# Altium PCB HIVE_BOARD.PcbDoc (part 4 of 9)
Units mil, origin at the board's own origin, x right, y up, seen from the top; angles counter-clockwise.
Board outline 4330.71 x 4330.71 mil, 8 copper layers (Top, GND_1, Signal_1, GND_2, PWR, Signal_2, GND_3, Bottom), stack 62.994 mil thick; 660 components, 468 nets, 2497 pads, 1806 vias.
Unrouted connection lines stored in the file: 30.
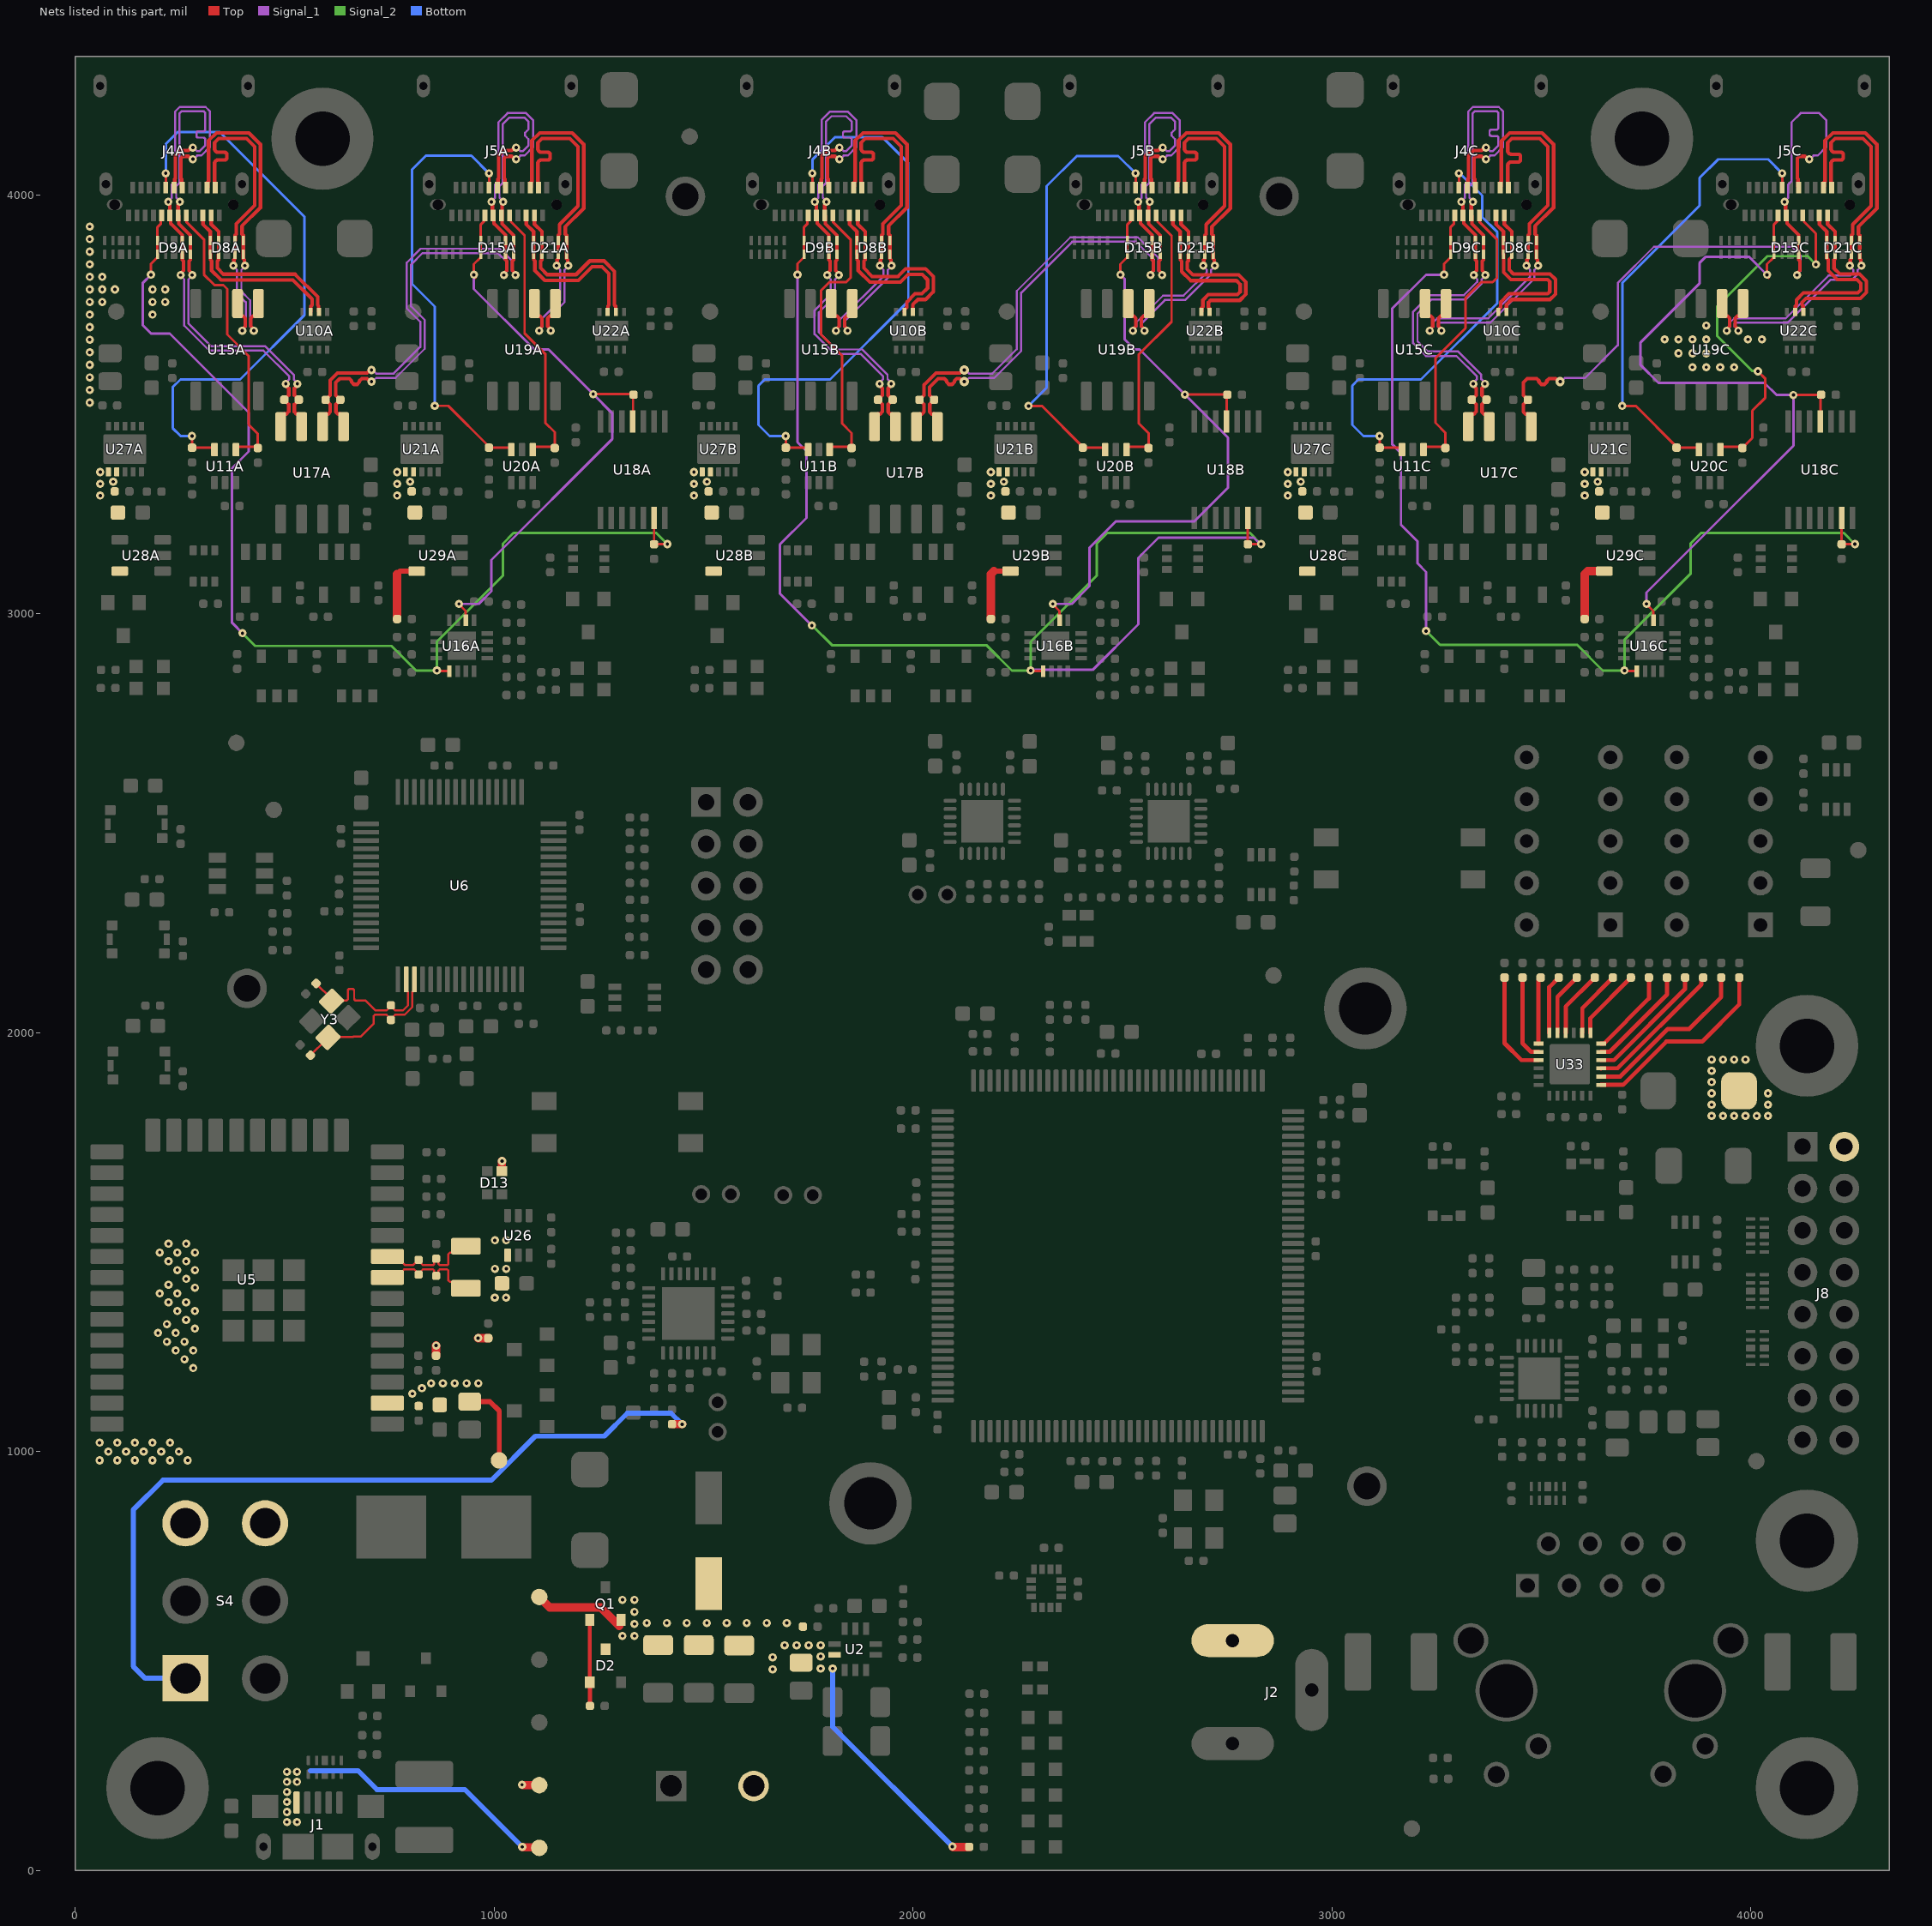
[diagram p10: the nets of this part, all layers, seen from the top]

## Via types
v1: diameter 19.68, hole 7.87, Top to Bottom, tented both sides, 1753 vias
v2: diameter 19.68, hole 7.87, Top to Bottom, 41 vias
v3: diameter 21.65, hole 7.87, Top to Bottom, tented both sides, 7 vias
v4: diameter 19.68, hole 7.87, Top to Bottom, tented bottom, 5 vias

## Nets (pads, with @x,y where several pads share a name; then routed paths per layer and width w, separated by ;. In a path a pad name is that pad's centre, name@x,y a point inside that pad or via, vN(x,y) a via of type N, cw(c..) or ccw(c..) an arc to the next point about the centre after c; other vN are vias at no path point) (continued)
3V3_WR: C62.2 C63.1 C64.2 C138.1 D13.3 R91.2 R92.2 TP18.1 U5.2 U26.1 | length 266.1
  Top w12: C62.2@941.98,1119.41 990.16,1119.41 1012.56,1097.01 TP18.1@1012.56,983.37
  Top w20: R91.2@861.77,1228.94 v1@861.77,1253.14 ; v1@962.09,1270.77 R92.2@986.28,1270.77 ; D13.3@1018.98,1669.1 v1@1018.98,1693.29
  other v1: 805.03,1138.23 827.89,1151.13 849.88,1163 878.1,1163 906.33,1163 934.55,1163 962.78,1163 861.97,1253.14 962.09,1270.97 1001.93,1367.34 1028.82,1367.34 1002.14,1436.19 1029.22,1436.19 1002.14,1504.36 1029.22,1504.36 1019.17,1693.29
5V: C32.2 C33.2 C35.2 C76.2 C111A.1 C111B.1 C111C.1 C124A.2 C124B.2 C124C.2 C139A.1 C139B.1 C139C.1 C140A.2 C140B.2 C140C.2 C147.1 D2.3 D27.1 J8.2 Q1.2 R11.1 R21.2 R107A.1 R107B.1 R107C.1 TP2.1 U2.2 U21A.1 U21A.2 U21B.1 U21B.2 U21C.1 U21C.2 U27A.1 U27A.2 U27B.1 U27B.2 U27C.1 U27C.2 U28A.5 U28B.5 U28C.5 U29A.5 U29B.5 U29C.5 | length 1272.4
  Top w12: 768.8,3094.57 775.83,3101.6 U29A.5@815.48,3101.6 ; 2193.15,3101.6 U29B.5@2232.8,3101.6
  Top w20: R107A.1@768.8,2987.17 768.8,3094.57 ; TP2.1@1108,653 1133,628 1255,628 Q1.2@1298.93,584.07 ; v1@2095.29,56.15 R11.1@2133.78,56.15 ; R107B.1@2186.12,2987.17 2186.12,3094.57 2193.15,3101.6 ; R107C.1@3603.45,2987.17 3603.45,3094.57 3610.48,3101.6 U29C.5@3650.12,3101.6
  Bottom w12: v1(1808.36,482.32) 1808.36,343.08 v1(2094.18,57.27)
  other v1: 1664.96,480.34 1779.68,482.32 1664.96,509.02 1779.68,511 1693.64,537.7 1722.32,537.7 1751,537.7 1779.68,537.7 1306.65,560.07 1335.33,560.07 1335.33,588.75 1364.68,591 1412.4,591 1460.12,591 1507.84,591 1555.56,591 1603.28,591 1651,591 1698.72,591 1335.33,617.43 1306.65,646.11 1335.33,646.11 58.63,979.1 100.66,979.1 142.7,979.1 184.73,979.1 226.77,979.1 268.8,979.1 79.64,1000.12 121.68,1000.12 163.71,1000.12 205.75,1000.12 247.78,1000.12 58.63,1021.13 100.66,1021.13 142.7,1021.13 184.73,1021.13 226.77,1021.13 282.2,1199.24 261.18,1220.26 240.17,1241.27 282.2,1241.27 219.15,1262.29 261.18,1262.29 198.13,1283.31 240.17,1283.31 285.99,1293.37 219.15,1304.33 264.97,1314.39 243.95,1335.4 285.99,1335.4 222.93,1356.42 264.97,1356.42 201.92,1377.44 243.95,1377.44 286.19,1391.14 222.93,1398.46 265.17,1412.15 244.15,1433.17 286.19,1433.17 223.13,1454.19 265.17,1454.19 202.12,1475.21 244.15,1475.21 286.19,1475.21 223.13,1496.22 265.17,1496.22 3906.45,1801.23 3933.33,1801.23 3960.22,1801.23 3987.1,1801.23 4013.99,1801.23 4040.87,1801.23 3906.45,1828.12 4040.87,1828.12 3906.45,1855 4040.87,1855 3906.45,1881.89 3906.45,1908.77 3906.45,1935.65 3933.33,1935.65 3960.22,1935.65 3987.1,1935.65 60,3282 768.66,3282 1477.32,3282 2185.98,3282 2894.65,3282 3603.31,3282 60,3310 768.66,3310 1477.32,3310 2185.98,3310 2894.65,3310 3603.31,3310 91,3315 799.66,3315 1508.32,3315 2216.98,3315 2925.65,3315 3634.31,3315 60,3338 768.66,3338 1477.32,3338 2185.98,3338 2894.65,3338 3603.31,3338 34.98,3503.86 34.98,3533.88 34.98,3563.89 3860.49,3588.36 3893.64,3588.36 3926.79,3588.36 3959.94,3588.36 34.98,3593.91 3827.34,3621.51 3860.49,3621.51 3893.64,3621.51 34.98,3623.92 34.98,3653.94 3794.19,3654.66 3827.34,3654.66 3860.49,3654.66 3893.64,3654.66 3993.09,3654.66 4026.24,3654.66 34.98,3683.95 3893.64,3687.81 34.98,3713.97 185.06,3713.97 34.98,3743.98 65,3743.98 185.06,3743.98 215.08,3743.98 34.98,3774 65,3774 95.02,3774 185.06,3774 215.08,3774 34.98,3804.02 65,3804.02 34.98,3834.03 34.98,3864.05 34.98,3894.06 34.98,3924.08
5V_CONN: J2.1 J3.2 S4.3 S4.6 TP3.1 | length 38.5
  Top w20: v1@1068.09,203.76 TP3.1@1106.58,203.76
  other v1: 1066.97,204.87
5V_POL_G: D2.1 Q1.1 R12.1 | length 205.6
  Top w10: Q1.1@1228.6,598.26 D2.1@1228.6,449.5 1228.87,449.23 1228.87,393.2 R12.1@1229.15,392.92
5V_USB: J1.1 R7.1 S4.1 TP1.1 | length 2573.6
  Top w20: v1(1067.28,56.35) 1068.39,55.24 1106.89,55.24 TP1.1@1108,54.13 ; R7.1@1424.86,1065.48 v1@1449.05,1065.48
  Bottom w12: S4.1@263.46,458.79 167.55,458.79 138.78,487.56 138.78,860.84 209.69,931.75 993.65,931.75 1098.76,1036.86 1263.34,1036.86 1318.29,1091.82 1422.52,1091.82 v1(1449.05,1065.28) ; 561.73,238.43 675.46,238.43 720.54,193.36 930.27,193.36 v1(1067.28,56.35)
  other v1: 505.84,115.81 529.84,115.81 505.84,139.81 505.84,163.81 505.84,187.81 505.84,211.81 529.84,211.81 505.84,235.81 529.84,235.81
7SEG_A_0: R136.1 U33.5 | length 254.1
  Top w10: U33.5@3642.68,1954.16 3662.77,1954.16 3799.9,2091.29 R136.1@3799.9,2131.4
7SEG_A_1: R135.1 U33.13 | length 159.7
  Top w10: U33.13@3493.07,1973.85 3493.07,2125.75 3498.18,2130.86 R135.1@3498.18,2131.4
7SEG_B_0: R138.1 U33.6 | length 208.6
  Top w10: U33.6@3642.68,1973.85 3649.21,1973.85 3649.76,1974.4 3756.8,2081.44 R138.1@3756.8,2131.4
7SEG_B_1: R137.1 U33.14 | length 203.3
  Top w10: R137.1@3455.08,2131.4 3455.08,1974.56 3475.2,1954.44 3492.79,1954.44 U33.14@3493.07,1954.16
7SEG_C_0: R140.1 U33.7 | length 172
  Top w10: U33.7@3617.08,1999.44 3617.08,2034.79 R140.1@3713.69,2131.4
7SEG_C_1: R139.1 U33.15 | length 254.4
  Top w10: R139.1@3411.97,2131.4 3411.97,1974.75 3452.24,1934.48 U33.15@3493.07,1934.48
7SEG_D_0: R142.1 U33.4 | length 297.9
  Top w10: U33.4@3642.68,1934.48 3673.35,1934.48 3843,2104.14 R142.1@3843,2131.4
7SEG_D_1: R141.1 U33.12 | length 141.3
  Top w10: U33.12@3518.66,1999.44 3518.66,2108.78 R141.1@3541.28,2131.4
7SEG_E_0: R144.1 U33.3 | length 340.4
  Top w10: U33.3@3642.68,1914.79 3642.95,1915.07 3682.07,1915.07 3881.72,2114.72 3881.72,2127.02 R144.1@3886.11,2131.4
7SEG_E_1: R143.1 U33.11 | length 151
  Top w10: U33.11@3538.34,1999.44 3538.34,2085.36 R143.1@3584.39,2131.4
7SEG_F_0: R146.1 U33.1 | length 473.3
  Top w10: U33.1@3642.68,1875.42 3694.95,1875.42 3798.2,1978.67 3883.91,1978.67 3972.31,2067.08 R146.1@3972.31,2131.4
7SEG_F_1: R145.1 U33.8 | length 162.3
  Top w10: U33.8@3597.4,1999.44 3597.83,1999.87 3597.83,2058.63 R145.1@3670.59,2131.4
7SEG_G_0: R148.1 U33.2 | length 411.7
  Top w10: U33.2@3642.68,1895.11 3642.95,1895.38 3688.38,1895.38 3801.53,2008.53 3852.98,2008.53 3929.21,2084.76 R148.1@3929.21,2131.4
7SEG_G_1: R147.1 U33.10 | length 160.7
  Top w10: U33.10@3558.03,1999.44 3558.03,2061.94 R147.1@3627.49,2131.4
12M_X_N: C75.2 R70.1 U6.3 Y3.3 | length 371.9
  Top w5: C75.2@562,1946 Y3.3@598.42,1982.42 ; Y3.3@603.88,1988.62 605.27,1990.01 664.13,1990.01 664.48,1990.35 681.46,1990.35 713.07,2021.96 713.07,2040.07 716,2043 743.12,2043 R70.1@753.91,2032.2 ; R70.1@753.91,2030.31 R70.1@753.91,2032.2 ; U6.3@809.9,2126.87 809.9,2101.67 805.06,2096.83 805.06,2061.28 786.59,2042.81 764.34,2042.81 761.41,2039.88 761.41,2039.7 R70.1@753.91,2032.2
12M_X_P: C74.2 R70.2 U6.2 Y3.1 | length 371.9
  Top w5: C74.2@575.39,2117.35 Y3.1@611.8,2080.93 ; Y3.1@612.23,2074.92 613.62,2076.31 643.73,2076.31 646.23,2076.31 ccw(c646.23,2081.31) 651.23,2081.31 651.23,2099.93 cw(c655.73,2099.93) 655.73,2104.43 661.73,2104.43 cw(c661.73,2099.93) 666.23,2099.93 666.23,2081.31 ccw(c671.23,2081.31) 671.23,2076.31 685.14,2076.31 693.71,2076.31 717.02,2053 743.49,2053 R70.2@753.91,2063.43 ; R70.2@753.91,2065.31 R70.2@753.91,2063.43 ; U6.2@790.22,2126.87 790.22,2101.67 795.06,2096.83 795.06,2065.42 782.45,2052.81 764.52,2052.81 R70.2@753.91,2063.42
32K_X_N: C67.2 R132.1 U5.9 X3.2 | length 261
  Top w5: U5.9@745.35,1465.7 767.44,1465.7 788.15,1445 806.58,1445 R132.1@819.11,1457.53 ; R132.1@820.01,1457.53 820.01,1455.64 827.51,1448.14 827.51,1447.96 830.44,1445.03 854.56,1445.03 857.49,1447.96 857.49,1456.01 C67.2@862.01,1460.53 867.35,1455.19 867.35,1448.17 867.49,1448.03 867.49,1447.96 870.42,1445.03 881.04,1445.03 ; 881.07,1445 888.14,1445 891.07,1447.93 891.07,1471.24 894.87,1475.05 917.85,1475.05 X3.2@933,1490.2
32K_X_P: C66.2 R132.2 U5.8 X3.1 | length 260.5
  Top w5: U5.8@745.35,1415.7 766.44,1415.7 785.73,1435 809.44,1435 R132.2@820.01,1424.42 ; R132.2@820.01,1422.53 R132.2@820.01,1424.42 ; 876.92,1435 888.14,1435 891.07,1432.07 891.07,1408.77 894.87,1404.96 917.84,1404.96 X3.1@933,1389.8 ; 876.9,1435.03 870.42,1435.03 867.49,1432.1 867.49,1432.03 867.35,1431.89 867.35,1424.87 C66.2@862.01,1419.53 857.49,1424.05 857.49,1432.1 854.56,1435.03 830.44,1435.03 827.51,1432.1 827.51,1431.92 R132.2@820.01,1424.42
BB_CC1_0A: J4A.A5 R95A.2 U11A.1 | length 700
  Top w6: J4A.A5@265.74,3950.38 265.74,3935.26 307.57,3893.43 307.57,3809.44 333.01,3784 354,3784 363,3775 363,3666.42 414.37,3615.05 414.37,3451.21 436.3,3429.28 R95A.2@436.3,3395.48 ; U11A.1@383.92,3391.56 383.92,3396.31 385.8,3398.18 433.59,3398.18 R95A.2@436.3,3395.48 ; R95A.2@438.48,3397.66 R95A.2@436.3,3395.48
BB_CC1_0B: J4B.A5 R95B.2 U11B.1 | length 717.3
  Top w6: U11B.1@1801.25,3391.56 1801.25,3396.31 1803.12,3398.18 1850.91,3398.18 R95B.2@1853.62,3395.48 ; J4B.A5@1809.05,3950.4 1809.05,3935.27 1850.88,3893.44 1850.88,3801.68 1840.61,3791.41 1800.69,3791.41 1780.32,3771.03 1780.32,3666.42 1799.53,3647.21 1830.81,3615.93 1830.81,3454.02 1853.62,3431.21 R95B.2@1853.62,3395.48 ; R95B.2@1855.81,3397.66 R95B.2@1853.62,3395.48
BB_CC1_0C: J4C.A5 R95C.2 U11C.1 | length 715.4
  Top w6: U11C.1@3218.57,3391.56 3218.57,3396.31 3220.44,3398.18 3268.24,3398.18 R95C.2@3270.94,3395.48 ; R95C.2@3270.94,3398.18 3270.94,3431.79 3247.27,3455.46 3247.27,3609.86 3318.9,3681.49 3318.9,3753.95 3356.13,3791.18 3383.7,3791.18 3394.19,3801.67 3394.19,3893.43 3352.36,3935.26 J4C.A5@3352.36,3950.39
BB_CC1_1A: J5A.A5 R117A.2 U20A.1 | length 654.7
  Top w6: J5A.A5@1037.4,3950.38 1040.3,3947.48 1040.3,3935.7 1073,3903 1073,3669.3 1122.22,3620.08 1122.22,3455.81 1144.96,3433.07 R117A.2@1144.96,3395.48 ; U20A.1@1092.58,3391.56 1092.58,3396.31 1094.46,3398.18 R117A.2@1142.25,3398.18
BB_CC1_1B: J5B.A5 R117B.2 U20B.1 | length 667.6
  Top w6: U20B.1@2509.91,3391.56 2509.91,3396.31 2511.78,3398.18 R117B.2@2559.58,3398.18 ; R117B.2@2562.28,3395.48 2562.28,3398.18 2562.28,3430.94 2538.71,3454.51 2538.71,3618.21 2617.32,3696.82 2617.32,3902 2583.61,3935.71 2583.61,3947.49 J5B.A5@2580.71,3950.4
BB_CC1_1C: J5C.A5 R117C.2 U20C.1 | length 894.7
  Top w6: U20C.1@3927.23,3391.56 3927.23,3396.31 3929.1,3398.18 R117C.2@3976.9,3398.18 ; R117C.2@3979.61,3395.48 4003.65,3419.52 4003.65,3484.72 4034.65,3515.72 4034.65,3560.79 v1(4016.85,3578.59) ; J5C.A5@4124.02,3950.39 4126.92,3947.48 4126.92,3935.7 4155.25,3907.37 v1(4155.25,3833.66)
  Signal_2 w6: v1(4016.85,3578.59) 4016.06,3579.38 4002.99,3579.38 3919.45,3662.93 3919.45,3733.54 4039.31,3853.4 4135.52,3853.4 v1(4155.25,3833.66)
BB_CC2_0A: J4A.B5 R97A.1 U11A.3 | length 1387
  Top w6: J4A.B5@216.53,4017.31 v1(216.52,4051.07) ; v1(279.1,3424) 279.32,3423.78 R97A.1@279.32,3396.26 330.87,3396.26 332.74,3394.39 U11A.3@332.74,3391.56
  Bottom w6: v1(216.52,4051.07) 216.52,4121.06 245.02,4149.55 345.54,4149.55 547.17,3947.92 547.17,3712.17 393.88,3558.88 251.48,3558.88 233,3540.4 233,3443.08 252.08,3424 v1(279.1,3424)
BB_CC2_0B: J4B.B5 R97B.1 U11B.3 | length 1368.6
  Top w6: v1(1696.42,3424) 1696.64,3423.78 R97B.1@1696.64,3396.26 1748.19,3396.26 1750.07,3394.39 U11B.3@1750.07,3391.56 ; J4B.B5@1759.84,4017.33 v1(1759.83,4051.08)
  Bottom w6: v1@1696.33,3424.09 1657.67,3424.09 1631.11,3450.64 1631.11,3544.14 1645.93,3558.96 1802.08,3558.96 1989,3745.88 1989,4075.5 1927.49,4137 1813.42,4137 1759.83,4083.41 v1(1759.83,4051.08)
BB_CC2_0C: J4C.B5 R97C.1 U11C.3 | length 1065.8
  Top w6: v1(3113.74,3424) 3113.96,3423.78 R97C.1@3113.96,3396.26 3165.51,3396.26 3167.39,3394.39 U11C.3@3167.39,3391.56 ; J4C.B5@3303.15,4017.32 v1(3303.14,4051.07)
  Bottom w6: v1(3113.74,3424) 3075.08,3424 3048.52,3450.56 3048.52,3544.06 3063.34,3558.88 3212.43,3558.88 3394.98,3741.42 3394.98,3910.47 3358.78,3946.67 3358.78,3998.17 3305.87,4051.07 v1(3303.14,4051.07)
BB_CC2_1A: J5A.B5 R118A.1 U20A.3 | length 1063.5
  Top w6: v1(858.7,3496.17) 890.62,3496.17 R118A.1@988.54,3398.24 ; J5A.B5@988.18,4017.31 v1(988.18,4051.07) ; R118A.1@988.54,3396.83 R118A.1@987.98,3396.26 1039.53,3396.26 1041.4,3394.39 U20A.3@1041.4,3391.56
  Bottom w6: v1(858.7,3496.17) 858.7,3733.33 804.47,3787.56 804.47,4060.27 837.5,4093.31 945.94,4093.31 v1(988.18,4051.07)
BB_CC2_1B: J5B.B5 R118B.1 U20B.3 | length 1064
  Top w6: v1(2275.8,3495.94) 2307.72,3495.94 R118B.1@2405.64,3398.02 ; R118B.1@2405.87,3396.83 R118B.1@2405.3,3396.26 2456.85,3396.26 2458.73,3394.39 U20B.3@2458.73,3391.56 ; J5B.B5@2531.49,4017.33 v1(2531.49,4051.08)
  Bottom w6: v1(2275.8,3495.94) 2319.2,3539.35 2319.2,4020.79 2390.96,4092.55 2490.02,4092.55 v1(2531.49,4051.08)
BB_CC2_1C: J5C.B5 R118C.1 U20C.3 | length 1112.1
  Top w6: v1(3693.12,3495.94) 3725.05,3495.94 R118C.1@3822.97,3398.02 ; R118C.1@3823.19,3396.83 R118C.1@3822.62,3396.26 3874.18,3396.26 3876.05,3394.39 U20C.3@3876.05,3391.56 ; J5C.B5@4074.8,4017.32 v1(4074.8,4051.07)
  Bottom w6: v1(3693.12,3495.94) 3693.12,3789.6 3877.81,3974.29 3877.81,4040.41 3922,4084.6 4041.27,4084.6 v1(4074.8,4051.07)
BB_CLK_0A_N: D8A.5 D8A.6 J4A.A3 U10A.7 | length 439.3
  Top w8.5: J4A.A3@305.11,3950.38 305.32,3950.17 305.32,3929.88 322.83,3912.37 D8A.5@322.83,3890.45 D8A.6@322.83,3857.58 323.15,3857.27 323.15,3844.55 325.93,3841.77 325.93,3819.34 348.51,3796.76 519.74,3796.76 565.55,3750.95 565.55,3736.7 563.13,3734.28 563.13,3721.17 U10A.7@562.45,3720.5
BB_CLK_0A_P: D8A.4 D8A.7 J4A.A2 U10A.6 | length 439.3
  Top w8.5: J4A.A2@324.8,3950.38 324.83,3929.7 342.52,3912.02 D8A.4@342.52,3890.45 D8A.7@342.52,3857.58 342.21,3857.27 342.21,3844.55 339.43,3841.77 339.43,3824.93 354.1,3810.26 525.33,3810.26 579.05,3756.54 579.05,3736.7 581.47,3734.28 581.47,3721.17 U10A.6@582.14,3720.5
BB_CLK_0B_N: D8B.5 D8B.6 J4B.A3 U10B.7 | length 438.8
  Top w8.5: J4B.A3@1848.42,3950.4 1848.63,3950.18 1848.63,3929.9 1866.14,3912.39 D8B.5@1866.14,3890.45 1866.14,3857.59 1866.46,3857.28 1866.46,3844.57 1869.24,3841.79 1869.24,3819.35 1897.09,3791.5 1969.87,3791.5 1988.14,3809.77 2022.23,3809.77 2035,3797 2035,3777 2021.5,3763.5 2005.09,3763.5 1985.29,3743.71 1985.29,3730.94 1980.45,3726.09 1980.45,3721.17 U10B.7@1979.78,3720.5
BB_CLK_0B_P: D8B.4 D8B.7 J4B.A2 U10B.6 | length 438.6
  Top w8.5: J4B.A2@1868.14,3950.36 1868.14,3929.72 1885.83,3912.03 D8B.4@1885.83,3890.45 1885.83,3857.59 1885.52,3857.28 1885.52,3844.57 1882.74,3841.79 1882.74,3824.95 1902.68,3805 1964.28,3805 1982.55,3823.27 2030.02,3823.27 2048.5,3804.79 2048.5,3768.48 2030.02,3750 2011.68,3750 1999.46,3737.78 U10B.6@1999.46,3720.5
BB_CLK_0C_N: D8C.5 D8C.6 J4C.A3 U10C.7 | length 439.4
  Top w8.5: J4C.A3@3391.73,3950.39 3391.94,3950.17 3391.94,3929.89 3409.45,3912.38 D8C.5@3409.45,3890.45 D8C.6@3409.45,3857.58 3409.77,3857.27 3409.77,3815.23 3427.5,3797.5 3515.02,3797.5 3520,3792.52 3520,3768.48 3515.02,3763.5 3422.41,3763.5 3402.61,3743.71 3402.61,3730.94 3397.77,3726.09 3397.77,3721.17 U10C.7@3397.1,3720.5
BB_CLK_0C_P: D8C.4 D8C.7 J4C.A2 U10C.6 | length 438.7
  Top w8.5: J4C.A2@3411.42,3950.39 3411.45,3929.71 3429.14,3912.02 D8C.4@3429.13,3890.45 D8C.7@3429.13,3857.58 3429.13,3851.02 3428.51,3850.39 3428.25,3850.39 3423.27,3845.41 3423.27,3820.82 3433.09,3811 3520.61,3811 3533.5,3798.11 3533.5,3762.89 3520.61,3750 3429,3750 3416.79,3737.78 U10C.6@3416.79,3720.5
BB_CLK_1A_N: D21A.5 D21A.6 J5A.A3 U22A.7 | length 438.8
  Top w8.5: J5A.A3@1076.98,3950.17 1076.98,3929.88 1094.49,3912.37 D21A.5@1094.49,3890.45 D21A.6@1094.49,3857.58 1094.8,3857.27 1094.8,3844.55 1097.58,3841.77 1097.58,3819.34 1121.16,3795.76 1201.37,3795.76 1234.11,3828.5 1257.41,3828.5 1274.21,3811.7 1274.21,3736.7 1271.79,3734.28 1271.79,3721.17 U22A.7@1271.12,3720.5
BB_CLK_1A_P: D21A.4 D21A.7 J5A.A2 U22A.6 | length 439.1
  Top w8.5: J5A.A2@1096.45,3950.38 1096.49,3950.35 1096.49,3929.7 1114.17,3912.02 D21A.4@1114.17,3890.45 D21A.7@1114.17,3857.58 1113.86,3857.27 1113.86,3844.55 1111.08,3841.77 1111.08,3824.93 1126.75,3809.26 1195.78,3809.26 1228.52,3842 1263,3842 1287.71,3817.29 1287.71,3736.7 1290.13,3734.28 1290.13,3721.17 U22A.6@1290.8,3720.5
BB_CLK_1B_N: D21B.5 D21B.6 J5B.A3 U22B.7 | length 439.2
  Top w8.5: J5B.A3@2620.29,3950.18 2620.29,3929.9 2637.8,3912.39 D21B.5@2637.8,3890.45 2637.8,3857.59 2638.11,3857.28 2638.11,3844.57 2641.48,3841.2 2641.48,3816.43 2662.82,3795.09 2771.91,3795.09 2781,3786 2781,3768.09 2774.41,3761.5 2704.89,3761.5 2692,3748.61 2692,3732.82 2689.11,3729.93 2689.11,3721.17 U22B.7@2688.44,3720.5
BB_CLK_1B_P: D21B.4 D21B.7 J5B.A2 U22B.6 | length 438.6
  Top w8.5: J5B.A2@2639.76,3950.4 2639.8,3950.36 2639.8,3929.72 2657.48,3912.03 D21B.4@2657.48,3890.45 2657.48,3857.59 2657.17,3857.28 2657.17,3842.03 2654.98,3839.85 2654.98,3822.02 2668.41,3808.59 2777.5,3808.59 2794.5,3791.59 2794.5,3762.5 2780,3748 2710.48,3748 2705.5,3743.02 2705.5,3731.07 2707.45,3729.12 2707.45,3721.17 U22B.6@2708.12,3720.5
BB_CLK_1C_N: D21C.5 D21C.6 J5C.A3 U22C.7 | length 439.2
  Top w8.5: U22C.7@4105.76,3720.5 4106.43,3721.17 4106.43,3734.28 4108.85,3736.7 4108.85,3748.96 4125.58,3765.68 4255.59,3765.68 4262.5,3772.59 4262.5,3788.41 4253.56,3797.35 4206.56,3797.35 4185,3818.91 4185,3845 4181.1,3848.9 D21C.6@4181.1,3857.58 D21C.5@4181.1,3890.45 4181.11,3912.38 4163.6,3929.89 J5C.A3@4163.6,3950.17
BB_CLK_1C_P: D21C.4 D21C.7 J5C.A2 U22C.6 | length 438.9
  Top w8.5: U22C.6@4125.45,3720.5 4124.78,3721.17 4124.78,3734.28 4122.35,3736.7 4122.35,3743.36 4131.17,3752.18 4261.18,3752.18 4276,3767 4276,3794 4259.15,3810.85 4212.15,3810.85 4198.5,3824.5 4198.5,3844.5 4200.79,3846.79 D21C.7@4200.79,3857.58 ; J5C.A2@4183.07,3950.39 J5C.A2@4183.07,3950.39 4183.11,3929.71 4200.8,3912.02 D21C.4@4200.79,3890.45 D21C.7@4200.79,3857.58
BB_RESET_0A: D9A.5 D9A.6 J4A.A8 R99A.2 U16A.9 U18A.6 | length 2581.5
  Top w6: v1(181,3809) 181,3835.13 195.33,3849.46 195.9,3849.46 196.84,3850.39 D9A.6@196.84,3857.58 D9A.5@196.84,3890.45 196.84,3922.84 205.03,3931.03 205.03,3948.73 J4A.A8@206.68,3950.38 ; v1(863.62,2864.42) 864.61,2863.44 892.96,2863.44 893.45,2862.95 U16A.9@893.45,2862.45 ; R99A.2@1382.08,3165.75 R99A.2@1382.08,3166 ; U18A.6@1382.08,3228.34 R99A.2@1382.08,3166 ; v1(1413.68,3166) R99A.2@1382.08,3166
  Signal_1 w6: v1(181,3809) 162.03,3790.03 162.03,3688.23 181.41,3668.86 226.39,3668.86 414.72,3480.52 414.72,3387.31 374.86,3347.45 374.86,3255.66 374.86,2978.14 v1(399.53,2953.47)
  Signal_2 w6: v1(399.53,2953.47) 430,2923 755.43,2923 814.01,2864.42 v1(863.62,2864.42) 863.62,2933.27 1021.26,3090.91 1021.26,3167.19 1046.49,3192.43 1387.25,3192.43 v1(1413.68,3166)
BB_RESET_0B: D9B.5 D9B.6 J4B.A8 R99B.2 U16B.9 U18B.6 | length 3310.4
  Top w6: v1(1724.31,3809.01) 1724.31,3835.14 1738.64,3849.47 1739.21,3849.47 1740.15,3850.41 1740.15,3922.85 1748.34,3931.04 1748.34,3948.74 J4B.A8@1750,3950.4 ; v1(2280.94,2864.42) 2281.93,2863.44 2310.28,2863.44 2310.77,2862.95 U16B.9@2310.77,2862.45 ; R99B.2@2799.4,3165.75 R99B.2@2799.4,3166 ; U18B.6@2799.4,3228.34 R99B.2@2799.4,3166 ; v1(2831,3166) R99B.2@2799.4,3166
  Signal_1 w6: v1(1724.31,3809.01) 1724.31,3409.28 1745.64,3387.96 1745.64,3228.4 1682.61,3165.38 1682.61,3047.86 v1(1758.66,2971.82) ; v1(2280.94,2864.42) 2282.36,2865.84 2428.82,2865.84 2537.81,2974.83 2537.81,3133.18 2586.17,3181.54 2813.45,3181.54 2829,3166 v1(2831,3166)
  Signal_2 w6: v1(1758.66,2971.82) 1759.9,2971.82 1806.72,2925 2175.46,2925 2236.04,2864.42 v1(2280.94,2864.42) 2280.94,2933.27 2438.58,3090.91 2438.58,3167.19 2463.82,3192.43 2804.57,3192.43 v1(2831,3166)
BB_RESET_0C: D9C.5 D9C.6 J4C.A8 R99C.2 U16C.9 U18C.6 | length 2532.3
  Top w6: v1(3267.62,3809) 3267.62,3835.13 3281.95,3849.46 3282.52,3849.46 3283.46,3850.4 3283.46,3922.84 3291.65,3931.03 3291.65,3948.73 J4C.A8@3293.31,3950.39 ; v1(3698.27,2864.42) 3699.25,2863.44 3727.61,2863.44 3728.09,2862.95 U16C.9@3728.09,2862.45 ; R99C.2@4216.73,3165.75 R99C.2@4216.73,3166 ; U18C.6@4216.73,3228.34 R99C.2@4216.73,3166 ; v1(4248.32,3166) R99C.2@4216.73,3166